# Altium PCB PCB1.PcbDoc (part 2 of 2)
Units mil, origin at the board's own origin, x right, y up, seen from the top; angles counter-clockwise.
Board outline 5128 x 3429 mil, 2 copper layers (Top Layer, Bottom Layer); 202 components, 144 nets, 652 pads, 630 vias.
Unrouted connection lines stored in the file: 1.
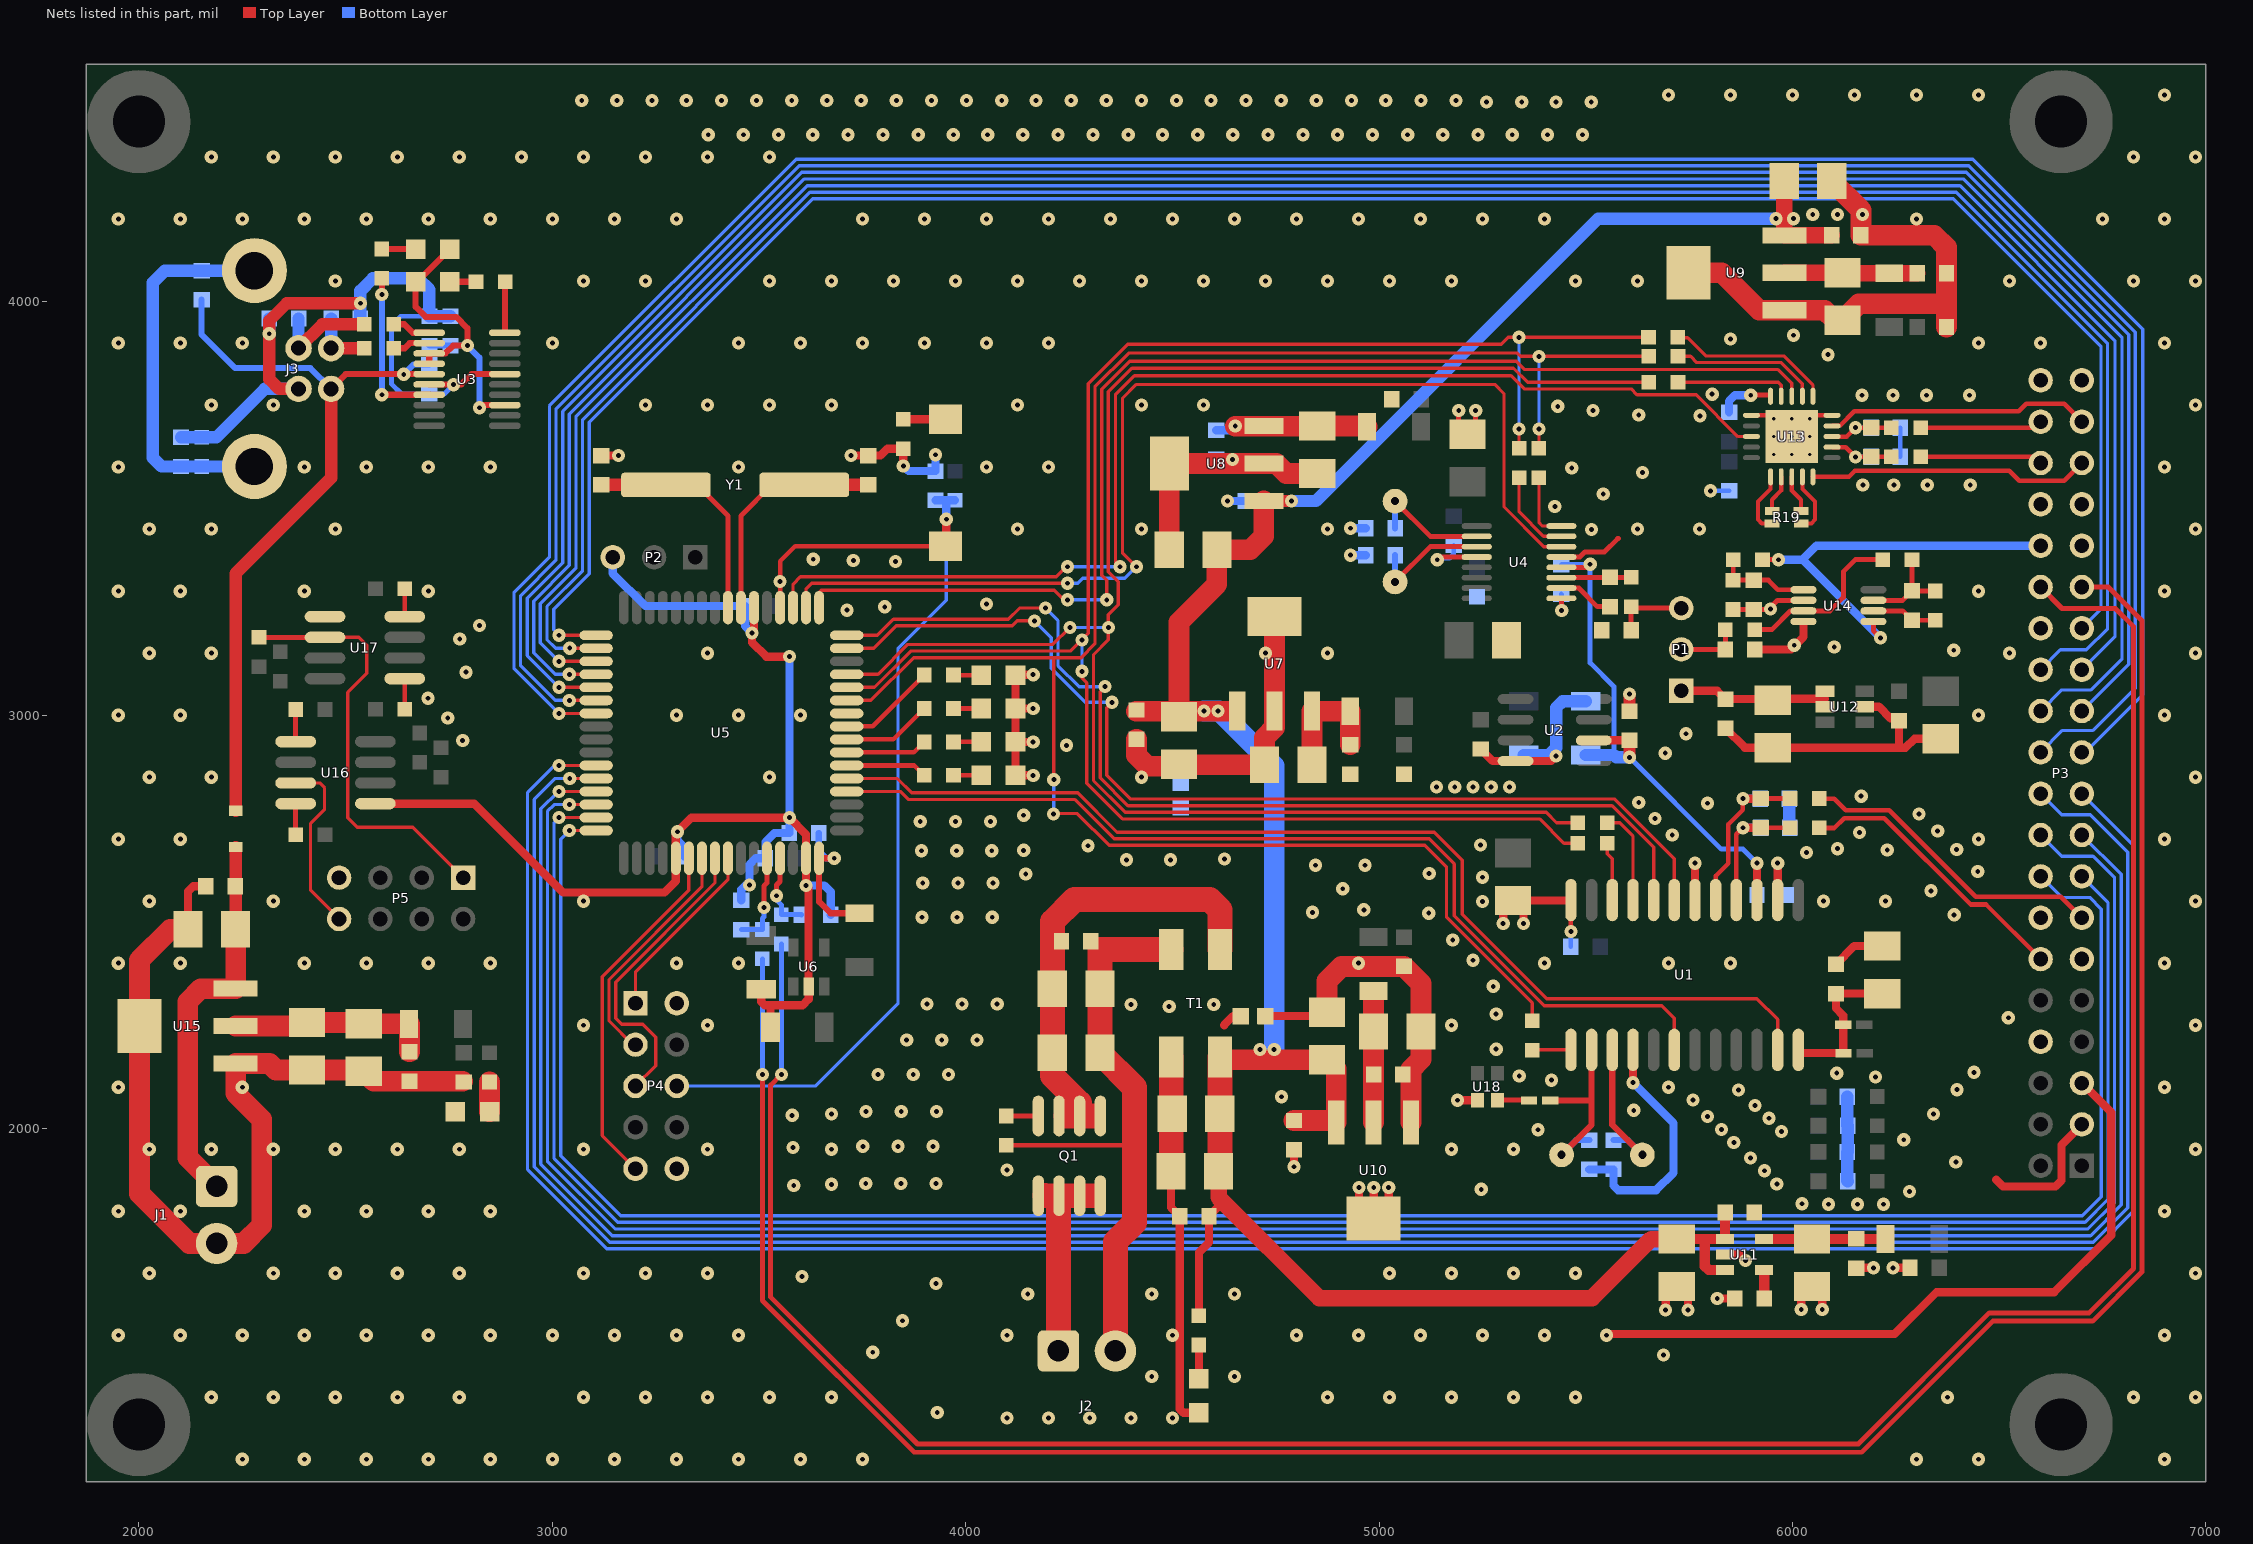
[diagram p2: the nets of this part, all layers, seen from the top]

## Via types
v1: diameter 32, hole 11.81, Top Layer to Bottom Layer, tented both sides, 606 vias
v2: diameter 32, hole 11.81, Top Layer to Bottom Layer, 15 vias
v3: diameter 19.68, hole 7.87, Top Layer to Bottom Layer, tented both sides, 9 vias

## Nets (pads, with @x,y where several pads share a name; then routed paths per layer and width w, separated by ;. In a path a pad name is that pad's centre, name@x,y a point inside that pad or via, vN(x,y) a via of type N, cw(c..) or ccw(c..) an arc to the next point about the centre after c; other vN are vias at no path point) (continued)
ADC_CH2.NEGATIVE: "C90_Differential Low-Pass Filter1.2" "C91_Differential Low-Pass Filter1.2" "R36_Differential Low-Pass Filter1.2" U1.17 | length 427.2
  Top Layer w11: U1.17@5814,2552.61 5814,2611 5845,2642 5845,2736 5880,2771 v1(5880,2798) ; 5923,2798.43 5993.87,2798.43
  Top Layer w20: v1(5880,2798) 5922,2798
  Bottom Layer w20: v1(5880,2798) 5921.57,2798
ADC_CH2.POSITIVE: "C89_Differential Low-Pass Filter1.1" "C90_Differential Low-Pass Filter1.1" "R35_Differential Low-Pass Filter1.2" U1.16 | length 338
  Top Layer w11: U1.16@5864,2552.61 5864,2711.57 v1(5880,2727.57) ; 5923,2727.57 5993.87,2727.57
  Top Layer w20: v1(5880,2727.57) 5923,2727.57
  Bottom Layer w20: v1(5880,2727.57) 5922.57,2727.57
ADC_CH2_N: "R36_Differential Low-Pass Filter1.1" P3.13 | length 754.3
  Top Layer w11: 6065,2798 6100.83,2798 6128.83,2770 6234,2770 6443,2561 6649,2561 P3.13@6700,2510
ADC_CH2_P: "R35_Differential Low-Pass Filter1.1" P3.12 | length 686.2
  Top Layer w11: 6065,2727 6100.83,2727 6124.83,2751 6222,2751 6431,2542 6468,2542 P3.12@6600,2410
ADC_CS: U1.19 U5.15 | length 2532.5
  Top Layer w8: U5.15@3712.15,3161.72 3777.35,3161.72 3831.63,3216 4112.4,3216 4124.4,3228 v1(4166,3228) ; v1(4354,3031) 4341,3018 4341,2855 4399,2797 5570,2797 5714,2653 U1.19@5714,2552.61
  Bottom Layer w8: v1(4166,3228) 4207,3187 4207,3113.37 4289.37,3031 v1(4354,3031)
ADC_DRDY: U1.20 U5.16 | length 2556.6
  Top Layer w8: U5.16@3712.15,3193.22 3786.22,3193.22 3825,3232 4103,3232 4130,3259 v1(4193,3259) ; v1(4337,3069) 4325,3057 4325,2848.37 4392.37,2781 5563.37,2781 5664,2680.37 U1.20@5664,2552.61
  Bottom Layer w8: v1(4193,3259) 4223,3229 4223,3120 4274,3069 v1(4337,3069)
ADC_INTERFACE.RESET: U1.6 U5.4 | length 2379.1
  Top Layer w8: U5.4@3712.15,2815.27 3843.1,2815.27 3862.44,2795.93 4264.3,2795.93 4359.24,2701 5121,2701 5182,2640 5182,2514.37 5399.37,2297 5684,2297 5714,2267 U1.6@5714,2190.41
ADC_INTERFACE.SPI.MISO: R39.1 R44.1 U5.13 | length 4217.6
  Top Layer w8: U5.13@3712.15,3098.73 3787.73,3098.73 3860,3171 4211,3171 v1(4252,3212) ; R39.1@5480.57,2740 5429,2740 5404,2765 4385.75,2765 4309,2841.75 4309,3146.37 4345,3182.37 v1(4345,3212) 4345,3243 4369,3267 4369,3323 4345,3347 4345,3782 4402,3839 5325,3839 5359,3805 R44.1@5652.13,3805
  Bottom Layer w8: v1@4255,3209 v1(4252,3212) v1(4345,3212)
ADC_INTERFACE.SPI.MOSI: R38.1 R41.1 R43.1 U5.12 | length 4511.6
  Top Layer w8: U5.12@3712.15,3067.24 3779.24,3067.24 3867,3155 4253,3155 4296.4,3198.4 4296.4,3801.58 4391.82,3897 5295,3897 5312,3914 R43.1@5651.57,3914 ; v1(4281,3106) 4281,3090 4293,3078 4293,2835.12 4379.12,2749 5388,2749 5447,2690 R38.1@5480.57,2690 ; R41.1@5338.48,3645.43 v1(5338.48,3692)
  Bottom Layer w8: v1(4281,3106) v1(4281,3182) ; v1(5338.48,3692) v1(5338.48,3914)
ADC_INTERFACE.SPI.SCK: R37.1 R40.1 R42.1 U5.11 | length 4718
  Top Layer w8: U5.11@3712.15,3035.74 3770.37,3035.74 3873.63,3139 4279,3139 4312.4,3172.4 4312.4,3794.66 4393.75,3876 5334.63,3876 5342.63,3868 R42.1@5652.13,3868 ; 4212,3139 4213,3138 v1(4213,2844) ; v1@4213,2762 4270,2762 4347,2685 5110.13,2685 5163,2632.13 5163,2510.75 5370,2303.75 R37.1@5370,2260.43 ; R40.1@5386.48,3645.43 v1(5386.48,3692)
  Bottom Layer w8: v1(4212,2761) 4213,2762 v1(4213,2844) ; v1(5386.48,3692) v1(5386.48,3867.52)
ADC_INTERFACE.STANDBY: U1.11 U5.5 | length 2643.8
  Top Layer w8: U5.5@3712.15,2846.76 3834.24,2846.76 3869.07,2811.93 4270.93,2811.93 4365.86,2717 5133.37,2717 5201,2649.37 5201,2518 5405,2314 5914,2314 5964,2264 U1.11@5964,2190.41
ADC_MCLK_N: C2.1 J4.2 U1.2 XT1.1 | length 465.7
  Top Layer w15: J4.2@5413.59,2068 5514,2068 ; XT1.1@5441.36,1936.51 5514,2009.15 5514,2068 ; U1.2@5514,2190.41 5514,2068
  Bottom Layer w15: XT1.1@5441.36,1936.51 5476.8,1971.94 C2.1@5508,1971.94
ADC_MCLK_P: C3.1 U1.3 XT1.2 | length 368.3
  Top Layer w15: U1.3@5564,2190.41 5564,2009.15 XT1.2@5636.64,1936.51
  Bottom Layer w15: C3.1@5567,1971.94 5601.2,1971.94 XT1.2@5636.64,1936.51
AIN0: P3.29 R7.1 | length 6250.7
  Top Layer w12: v1(3508,2131) 3508,1584 3875,1217 6167.28,1217 6484.28,1534 6726,1534 6845,1653 6845,3229 6764,3310 P3.29@6700,3310
  Bottom Layer w12: v1(3508,2131) R7.1@3508,2410.57
AIN1: P3.30 R9.2 | length 6301.4
  Top Layer w12: 3528,2104 3528,1592.28 3883.28,1237 6159,1237 6476,1554 6717.72,1554 6825,1661.28 6825,3214 6781,3258 6652,3258 P3.30@6600,3310 ; 3528,2105 v1(3554,2131)
  Bottom Layer w12: v1(3554,2131) R9.2@3554,2446.57
AT_NRST: C33.2 P4.6 R11.1 S1.2 U5.20 | length 2524.1
  Top Layer w11: U5.20@3550.73,3260.15 v1(3550.73,3323) 3550.73,3372.16 3587.03,3408.46 S1.2@3951,3408.46
  Top Layer w20: S1.2@3951,3408.46 3953,3410.46 v1(3953,3474)
  Bottom Layer w8: P4.6@3301,2103 3637,2103 3836,2302 3836,3161 3953,3278 v1(3953,3474)
  Bottom Layer w20: C33.2@3927,3519.57 3953,3519.57 ; v1(3953,3474) 3953,3519.57 ; R11.1@3974,3519.57 3953,3519.57
CLK_INPUT: J4.1 U18.3 | length 75.3
  Top Layer w12: U18.3@5286.61,2068.52 J4.1@5361.89,2068.52
"CURRENT IN": P3.32 R22.1 U14.5 | length 1000.7
  Top Layer w12: R22.1@5927.43,3376 v1(5966,3376) ; U14.5@6195.65,3226.61 6195.65,3204.35 v1(6213,3187)
  Bottom Layer w20: v1(5966,3376) 6024,3376 ; v1(6213,3187) 6024,3376 ; P3.32@6600,3410 6058,3410 6024,3376
"CURRENT RTN": "C89_Differential Low-Pass Filter1.2" "C89_Differential Low-Pass Filter2.2" "C89_Differential Low-Pass Filter3.2" "C91_Differential Low-Pass Filter1.1" "C91_Differential Low-Pass Filter2.1" "C91_Differential Low-Pass Filter3.1" C1.2 C4.2 C6.2 C8.2 C9.2 C10.2 C11.2 C19.2 C25.2 C27.2 C45.2 C46.2 C47.2 C51.2 C52.2 C55.2 C56.2 C57.2 C61.2 C62.2 C65.2 C66.2 C67.2 C68.2 C69.2 C70.2 C71.2 C72.2 C73.2 C74.2 C75.1 C77.2 C79.2 C82.1 J7.2 P3.3 P3.8 P3.11 P3.14 P3.28 P3.31 P3.33 P3.34 P3.39 P3.40 R21.1 U1.14 U1.18 U2.4 U4.13 U7.2 U7.4 U9.1 U9.4 U11.2 U12.2 U13.10 U13.16 U13.21 U14.4 | length 4974.1
  Top Layer w11: U13.16@5900.69,3725.18 5946.95,3725.18 v3(5954.83,3717.31) ; U13.21@6049.31,3725.18 U13.10@6095.57,3725.18
  Top Layer w12: U4.13@5440.84,3382.5 5485.55,3382.5 5498.05,3395 5545,3395 5577,3427 5579,3427
  Top Layer w20: C10.2@5245.51,2918.13 5274.65,2889 U2.4@5330.02,2889 5416,2889 v1(5428,2901) ; v1(5693,1561) C67.2@5693,1590.73 ; v1(5747,1561) C67.2@5747,1590.73 ; U1.18@5764,2552.61 v1(5764,2642) ; v1(5818,1589) C65.2@5860.4,1589 ; U11.2@5836.78,1695.29 5871.71,1695.29 v1(5886,1681) ; C71.2@5837.77,2967.97 5884.55,2921.19 C73.2@5951.77,2921.19 6257.77,2921.19 ; C82.1@5908.43,3159 5996,3159 6026.35,3189.35 U14.4@6026.35,3225.35 ; U1.14@5964,2552.61 v1(5964,2642) ; v1(6021,1562) C68.2@6021,1603.09 ; v1(6072,1562) C68.2@6072,1603.09 ; C4.2@6105,2397.28 6149.09,2441.37 C6.2@6217,2441.37 ; C69.2@6154.91,1663 v1(6196,1663) ; U12.2@6175,3020.4 6208.6,3020.4 6237.06,2991.94 6252.77,2991.94 C72.2@6257.77,2986.94 6257.77,2921.19 ; v1(6243,1663) C70.2@6284.09,1663 ; C74.2@6358.77,2942.84 6294.84,2942.84 6273.19,2921.19 6257.77,2921.19 ; 6493,1876 6509,1860 6636,1860 6650.47,1874.47 6650.47,1960.47 P3.3@6700,2010
  Top Layer w30: C11.2@5605.51,3009.87 v1(5605.51,3050.87)
  Top Layer w50: C45.2@4413,2941.57 4413,2903 4439.48,2876.52 4516,2876.52 4519.48,2880 C47.2@4722.59,2880 4722.59,2945.59 4747,2970 U7.2@4747,3009.83 U7.4@4747,3238.17 ; U9.4@5747.86,4070 5829,4070 5919.55,3979.45 U9.1@5980.14,3979.45 6077.55,3979.45 6101.96,3955.04 C57.2@6121,3955.04 6160.96,3995 6369.43,3995 ; C56.2@6095.1,4292 6165.43,4221.67 C55.2@6165.43,4161 6343,4161 6372.43,4131.57 C61.2@6372.43,4068.96 C62.2@6372.43,3939.04
  Bottom Layer w11: v1(5801.57,3542.57) C79.2@5846.57,3542.57 ; C75.1@6261,3625 C77.2@6261,3695
  Bottom Layer w30: C9.2@5349.51,2903.57 5410.57,2903.57 5428,2921 5428,3018 5443.49,3033.49 C8.2@5499.51,3033.49 ; 5992.43,2798 5992.43,2728.57 5993.43,2727.57 ; 6132.43,2077 6132.43,2007.57 6133.43,2006.57 6133.43,1944 6132.43,1943 6132.43,1873.57 6133.43,1872.57
  other v1: 6300,1200 6450,1200 6900,1200 6375,1350 6825,1350 6975,1350 5688,1452 6900,1500 6975,1650 6900,1800 6087,1817 6157,1817 6220,1817 6023,1818 6283,1848 5962,1866 5932,1898 6395,1919 5898,1929 6975,1950 5858,1966 6269,1973 5973,1993 5828,1998 5943,2025 5794,2029 6341,2035 5909,2056 5759,2069 5869,2093 6398,2094 6900,2100 6201,2125 6107,2134 6439,2136 6975,2250 6522,2268 5850,2400 6900,2400 6391,2517 6075,2550 6225,2550 6975,2550 6335,2575 6448,2622 6034,2668 6229,2674 6397,2675 6109,2677 6450,2700 6900,2700 5709,2710 6162,2716 6351,2720 5667,2750 6306,2761 5794,2787 5628,2789 6166,2804 5139,2826 5183,2826 5227,2826 5271,2826 5315,2826 4425,2850 6975,2850 5692,2908 5742,2955 6450,3000 6900,3000 4725,3150 4875,3150 6525,3150 6975,3150 6390,3157 6101,3165 6004,3169 6450,3300 6900,3300 5625,3450 5775,3450 6975,3450 6170,3557 6245,3557 6326,3557 6430,3557 6900,3600 6975,3750 6168,3774 6243,3774 6324,3774 6428,3774 6086,3872 6450,3900 6600,3900 6900,3900 6002,3919 5625,4050 6525,4050 6825,4050 6975,4050 6300,4200 6750,4200 6900,4200 6049,4211 6109,4211 6169,4211 6825,4350 6975,4350 5700,4500 5850,4500 6000,4500 6150,4500 6300,4500 6450,4500 6900,4500
  other v3: 5954.83,3630.69 5998.13,3630.69 6041.44,3630.69 5954.83,3674 5998.13,3674 6041.44,3674 5998.13,3717.31 6041.44,3717.31
DAC_CS: U4.14 U5.18 | length 2687
  Top Layer w8: U5.18@3613.72,3260.15 3613.72,3305.72 3627,3319 v1(4246,3319) ; v1(4413,3359) 4379,3393 4379,3766 4413,3800 5280,3800 5302,3778 5302,3504 5398.5,3407.5 U4.14@5440.84,3407.5
  Bottom Layer w8: v1(4246,3319) 4271,3319 4283,3331 4384.6,3331 4412.6,3359 v1(4413,3359)
DAC_MCLK_N: C22.1 U4.3 XT2.1 | length 297.5
  Top Layer w12: XT2.1@5038.48,3322.36 5123.62,3407.5 U4.3@5236.12,3407.5
  Bottom Layer w15: XT2.1@5038.48,3322.36 C22.1@5038.48,3387
DAC_MCLK_P: C23.1 U4.2 XT2.2 | length 298.5
  Top Layer w12: XT2.2@5038.48,3517.64 5123.62,3432.5 U4.2@5236.12,3432.5
  Bottom Layer w15: C23.1@5038.48,3452 XT2.2@5038.48,3517.64
ESP-GND: C13.2 C14.1 C15.1 C16.2 C17.2 C18.1 C83.2 C84.2 C85.2 C86.2 C87.2 C88.2 D9.2 J1.2 J3.4 P5.7 R5.1 U3.6 U3.16 U15.1 U15.4 U17.5 | length 4009.6
  Top Layer w15: U3.16@2702,3800 2780.04,3800 2805.04,3825 U3.6@2885.07,3825
  Top Layer w20: C88.2@2118.75,2482 2118.75,2573.75 2131,2586 C87.2@2161.57,2586
  Top Layer w30: J3.4@2385.95,3789.29 2338.75,3789.29 2315.09,3812.95 v1(2315.09,3922.5) 2315.09,3954.05 2357.54,3996.5 v1(2535.56,3996.5)
  Top Layer w50: C88.2@2118.75,2482 2076,2482 2001.43,2407.43 U15.4@2001.43,2248 2001.43,1842.57 2121.9,1722.1 J1.2@2188,1722.1 2253.1,1722.1 2297,1766 2297,2022 2233.71,2085.29 U15.1@2233.71,2157.45 2315.55,2157.45 2331.48,2141.52 C83.2@2406.57,2141.52 2540.57,2141.52 C84.2@2543.57,2138.52 2567.52,2114.57 C85.2@2654.57,2114.57 C86.2@2783.57,2114.57
  Bottom Layer w12: C17.2@2702.54,3964.93 2632.97,3964.93 2610.54,3942.5 2610.54,3801.5 2634.97,3777.07 C13.2@2702,3777.07 2738.1,3777.07 v1(2760.54,3799.5)
  Bottom Layer w30: C16.2@2101.54,3672.36 R5.1@2151.54,3672.36 2187.39,3672.36 2304.32,3789.29 J3.4@2385.95,3789.29 ; v1(2315.09,3922.5) C15.1@2315.09,3959.5 ; C14.1@2535.56,3959.5 v1(2535.56,3996.5) 2535.56,4026.52 2565.54,4056.5 2675.54,4056.5 2702.54,4029.5 C17.2@2702.54,3964.93 C18.1@2753.54,3964.93
  other v1: 2250,1200 2400,1200 2550,1200 2700,1200 2850,1200 2175,1350 2325,1350 2475,1350 2625,1350 2775,1350 1950,1500 2100,1500 2250,1500 2400,1500 2550,1500 2700,1500 2850,1500 2025,1650 2325,1650 2475,1650 2625,1650 2775,1650 1950,1800 2100,1800 2400,1800 2550,1800 2700,1800 2850,1800 2025,1950 2175,1950 2325,1950 2475,1950 2625,1950 2775,1950 1950,2100 2250,2100 1950,2400 2100,2400 2400,2400 2550,2400 2700,2400 2850,2400 2025,2550 2325,2550 1950,2700 2100,2700 2025,2850 2175,2850 1950,3000 2100,3000 2025,3150 2175,3150 1950,3300 2100,3300 2400,3300 2700,3300 2025,3450 2175,3450 2475,3450 1950,3600 2400,3600 2550,3600 2700,3600 2850,3600 2175,3750 2325,3750 1950,3900 2100,3900 2250,3900 2475,4050 1950,4200 2100,4200 2250,4200 2400,4200 2550,4200 2700,4200 2850,4200 2175,4350 2325,4350 2475,4350 2625,4350 2775,4350 2925,4350
ESP-RAW: C87.1 C88.1 D1.2 J1.1 U15.3 | length 947.4
  Top Layer w30: C88.1@2233.71,2482 D1.2@2233.71,2681.1
  Top Layer w50: J1.1@2188,1859.9 2118,1929.9 2118,2307 2149.55,2338.55 U15.3@2233.71,2338.55 C88.1@2233.71,2482
ESP_RXD_IS: P5.1 R34.1 U17.6 | length 1043.6
  Top Layer w8: U17.6@2450,3188.27 2531.73,3188.27 2551,3169 2551,3101 2505,3055 2505,2752 2528,2729 2662,2729 P5.1@2784,2607
  Top Layer w12: R34.1@2290.46,3188.27 U17.6@2450,3188.27
ESP_TXD_IS: P5.8 U16.3 | length 434.6
  Top Layer w8: U16.3@2379,2836 2437,2836 2449,2824 2449,2772 2415,2738 2415,2576 P5.8@2484,2507
FORCE+: P3.35 U13.5 | length 684.4
  Top Layer w11: U13.5@6049.31,3576.56 6136.56,3576.56 6151,3591 6524,3591 6548.03,3566.97 6656.97,3566.97 P3.35@6700,3610
FORCE-: P3.37 U13.9 | length 644.4
  Top Layer w11: U13.9@6095.57,3699.59 6114.16,3699.59 6149.57,3735 6547,3735 6565.03,3753.03 6656.97,3753.03 P3.37@6700,3710
GND: C2.2 C3.2 C5.2 C7.2 C22.2 C23.2 C24.2 C26.2 C28.2 C29.2 C30.1 C31.2 C32.1 C33.1 C34.2 C35.2 C36.2 C37.2 C38.2 C48.2 C49.2 C50.2 C53.2 C54.2 C58.2 C59.2 C60.2 C63.2 C64.2 C78.2 D4.2 D5.2 D6.2 D7.2 J8.1 P2.3 P3.5 P4.2 P4.10 R14.2 U1.4 U1.24 U4.4 U5.22 U5.53 U5.63 U6.2 U8.2 U8.4 U10.1 U10.4 U13.15 U16.5 U18.2 | length 8970.3
  Top Layer w9: C24.2@5213.48,3679.48 5233.48,3699.48 C24.2@5236,3702
  Top Layer w11: v1(5464,2476.49) U1.24@5464,2552.61
  Top Layer w12: v1(5140.48,3376) 5146.98,3382.5 U4.4@5236.12,3382.5 ; C24.2@5192.48,3693.43 v1(5192.48,3736.91) ; C24.2@5233.48,3689.39 5233.48,3699.48 v1(5233.48,3736.91) ; v1(5899,3774) U13.15@5946.95,3774
  Top Layer w20: U16.5@2571.91,2786 2811,2786 3026,2571 3271,2571 3298.76,2598.76 U5.53@3298.76,2653.85 3298.76,2714 v1(3302.76,2718) 3336.76,2752 v1(3573.57,2752) 3613.72,2711.84 U5.63@3613.72,2653.85 v1(3613.72,2588) 3619.72,2582 3619.72,2344.04 U6.2@3620,2343.76 3620,2313 3605,2298 3514,2298 3505,2307 C35.2@3505,2337.04 ; C30.1@3118,3627.87 v1(3159.68,3627.87) ; U5.22@3487.74,3260.15 3487.74,3203.74 v1(3483,3199) 3483,3176 3517.43,3141.57 v1(3573.57,3141.57) ; C34.2@3527.48,2245 3527.48,2298 ; v1(3722.32,3627.87) C32.1@3764,3627.87 3793.87,3627.87 3810.68,3644.68 R14.2@3849,3644.68 v1(3849,3603) ; D7.2@4120.34,3097 D6.2@4120.34,3016.11 ; D7.2@4121.34,3098 v1(4163,3098) ; v1(4163,2854.33) D4.2@4120.34,2854.33 D5.2@4120.34,2935.22 ; v1(4163,2935.22) D5.2@4120.34,2935.22 ; v1(4163,3016.11) D6.2@4120.34,3016.11 ; J8.1@4725,2272 4864.52,2272 C59.2@4874,2281.48 ; v1(4794,1907.47) C58.2@4794,1948.57 ; U10.4@4951,1816 v1(4951,1857.09) ; U10.4@4987,1816 v1(4987,1857.09) ; U10.4@5023,1815 v1(5023,1857.09) ; v1(5189.48,2068.52) U18.2@5237.39,2068.52 ; v1(5300,2496) C7.2@5300,2527.52 ; C7.2@5324,2551.52 5462.91,2551.52 U1.24@5464,2552.61 ; v1(5349,2496) C7.2@5349,2526.52 ; v1@5550,1503 6247,1503 6348,1604 6633,1604 6771,1742 6771,2039 P3.5@6700,2110 ; v1(5614,2111) U1.4@5614,2190.41 ; D5.2@4120.34,2935.22 D6.2@4120.34,3016.11
  Top Layer w50: C49.2@4492.58,3436.42 U8.4@4492.58,3608.72 U8.2@4720.93,3608.72 4751.28,3608.72 4775.48,3584.52 C50.2@4850,3584.52 ; C59.2@4874,2281.48 4874,2357 4909.09,2392.09 C64.2@5060,2392.09 5101.4,2350.69 C60.2@5101.4,2235 5101.4,2167.4 5076.99,2142.99 U10.1@5076.99,2015.1
  Bottom Layer w11: C5.2@5464,2440 v1(5464,2476.49)
  Bottom Layer w12: v1(5140.48,3376) 5144.48,3380 5170.48,3380 5180.48,3390 C26.2@5180.48,3410.57
  Bottom Layer w20: P2.3@3146,3382 3146,3343 3225,3264 C37.2@3466.57,3264 3466.57,3215.43 v1(3483,3199) ; v1(3302.76,2718) 3302.76,2696.24 3318.43,2680.57 C36.2@3318.43,2659 ; C29.2@3457,2552.3 3457,2578 3468,2589 v1(3477,2589) 3477,2639 3491.85,2653.85 C38.2@3515.3,2653.85 3515.3,2693.3 3537,2715 C31.2@3573.57,2715 v1(3573.57,2752) v1(3573.57,3141.57) ; v1(3613.72,2588) 3658,2588 3673.43,2572.57 C28.2@3673.43,2517 ; v1(3849,3603) 3861.57,3590.43 C33.1@3927,3590.43 v1(3927,3630) ; C53.2@4606,3618.57 v1(4645,3618.57) ; v1(4633,3518.17) C48.2@4676.57,3518.17 ; v1(4931,3387) C22.2@4967.61,3387 ; v1(4931,3452) C23.2@4967.61,3452 ; C2.2@5508,1901.08 C3.2@5567,1901.08 5567,1862 5578,1851 5670,1851 5712,1893 5712,2013 v1(5614,2111) ; C78.2@5846.57,3732.43 5846.57,3759.57 5861,3774 v1(5899,3774)
  other v1: 3000,1200 3150,1200 3300,1200 3450,1200 3600,1200 3750,1200 3931,1313 3075,1350 3225,1350 3375,1350 3525,1350 3675,1350 4875,1350 5025,1350 5175,1350 5325,1350 5475,1350 3775,1459 3000,1500 3150,1500 3300,1500 3450,1500 4800,1500 4950,1500 5100,1500 5250,1500 5400,1500 5550,1500 3847,1535 3928,1625 3604,1642 3075,1650 3225,1650 3375,1650 5025,1650 5175,1650 5325,1650 5475,1650 5247,1853 3584,1862 3675,1865 3758,1867 3843,1867 3928,1867 3075,1950 3375,1950 3675,1950 5175,1950 5325,1950 3582,1954 3751,1957 3836,1957 3921,1957 5384,1997 3580,2032 3675,2035 3759,2041 3844,2041 3929,2041 5616,2044 4764,2077 5700,2100 5417,2117 5339,2127 3788,2131 3873,2131 3958,2131 5283,2192 3857,2214 3942,2214 4027,2214 3075,2250 3375,2250 5175,2250 5283,2277 3906,2301 3991,2301 4076,2301 5276,2344 3300,2400 3450,2400 4950,2400 5400,2400 5700,2400 5227,2407 5178,2456 3894,2511 3979,2511 4064,2511 5120,2521 4839,2523 4963,2529 5250,2549 3075,2550 4912,2580 3896,2594 3981,2594 4066,2594 5250,2608 4145,2616 5121,2617 4846,2637 4966,2637 3893,2672 3978,2672 4063,2672 4140,2673 5245,2686 3890,2743 3975,2743 4060,2743 4140,2758 3525,2850 4244,2927 2783,2939 2747,2993 3300,3000 3450,3000 3600,3000 2699,3041 2791,3104 3375,3150 2776,3184 2824,3217 3713,3254 3804,3262 4050,3269 3830,3372 3728,3374 3631,3377 5514,3449 4125,3450 4425,3450 4875,3450 5425,3505 5542,3535 5637,3587 5466,3598 3450,3600 4050,3600 4200,3600 5776,3724 5628,3726 5517,3737 5432,3747 3225,3750 3375,3750 3525,3750 3675,3750 4125,3750 4425,3750 4575,3750 5805.61,3776.53 3000,3900 3450,3900 3600,3900 3750,3900 3900,3900 4050,3900 4200,3900 5850,3910 3075,4050 3225,4050 3525,4050 3675,4050 3825,4050 3975,4050 4125,4050 4275,4050 4425,4050 4575,4050 4725,4050 4875,4050 5025,4050 5175,4050 5475,4050 3000,4200 3150,4200 3300,4200 3750,4200 3900,4200 4050,4200 4200,4200 4350,4200 4500,4200 4650,4200 4800,4200 4950,4200 5100,4200 5250,4200 5400,4200 3075,4350 3225,4350 3375,4350 3525,4350 3377,4404 3462,4404 3547,4404 3630,4404 3715,4404 3800,4404 3885,4404 3970,4404 4053,4404 4138,4404 4223,4404 4308,4404 4393,4404 4476,4404 4561,4404 4646,4404 4731,4404 4816,4404 4899,4404 4984,4404 5069,4404 5154,4404 5239,4404 5322,4404 5407,4404 5492,4404 5260,4483 5345,4483 5428,4483 5513,4483 3071,4487 3156,4487 3241,4487 3324,4487 3409,4487 3494,4487 3579,4487 3664,4487 3747,4487 3832,4487 3917,4487 4002,4487 4087,4487 4170,4487 4255,4487 4340,4487 4425,4487 4510,4487 4593,4487 4678,4487 4763,4487 4848,4487 4933,4487 5016,4487 5101,4487 5186,4487
GPIO0: P3.16 U5.48 | length 5542.2
  Top Layer w8: v1(3041,2720.78) U5.48@3105.85,2720.78
  Bottom Layer w8: v1(3041,2720.78) 3020,2699.78 3020,1934 3165,1789 6701,1789 6747,1835 6747,2531 6719,2559 6651,2559 P3.16@6600,2610
GPIO1: P3.15 U5.47 | length 5573.3
  Top Layer w8: v1(3016,2752.28) U5.47@3105.85,2752.28
  Bottom Layer w8: v1(3016,2752.28) 3004,2740.28 3004,1927.37 3158.37,1773 6707.63,1773 6763,1828.37 6763,2547 P3.15@6700,2610
GPIO2: P3.18 U5.46 | length 5863.6
  Top Layer w8: v1(3041,2783.77) U5.46@3105.85,2783.77
  Bottom Layer w8: v1(3041,2783.77) 3004.77,2783.77 2988,2767 2988,1920.75 3151.75,1757 6714.25,1757 6779,1821.75 6779,2607 6727,2659 6651,2659 P3.18@6600,2710
GPIO3: P3.17 U5.45 | length 5870.2
  Top Layer w8: v1(3016,2815.27) U5.45@3105.85,2815.27
  Bottom Layer w8: v1(3016,2815.27) 3013.64,2815.27 2972,2773.63 2972,1914.12 3145.12,1741 6720.88,1741 6795,1815.12 6795,2615 P3.17@6700,2710
GPIO4: P3.20 U5.44 | length 6154.1
  Top Layer w8: v1(3042,2847) 3105.61,2847 U5.44@3105.85,2846.76
  Bottom Layer w8: v1(3042,2847) 3007,2847 2956,2796 2956,1907.49 3138.49,1725 6727.51,1725 6811,1808.49 6811,2668 6720,2759 6651,2759 P3.20@6600,2810
GPIO5: P3.19 U5.43 | length 6170.7
  Top Layer w8: v1(3016,2878.26) U5.43@3105.85,2878.26
  Bottom Layer w8: v1(3016,2878.26) 3005.26,2878.26 2940,2813 2940,1900.86 3131.86,1709 6734.14,1709 6827,1801.86 6827,2683 P3.19@6700,2810
GPIO6: P3.21 U5.39 | length 6275.3
  Top Layer w8: v1(3016,3004.24) U5.39@3105.85,3004.24
  Bottom Layer w8: v1(3016,3004.24) 2907,3113.24 2907,3296 2993,3382 2993,3748 3590,4345 6436,4345 6847,3934 6847,3049.37 6707.63,2910 P3.21@6700,2910
GPIO7: P3.22 U5.38 | length 6259.7
  Top Layer w8: v1(3041,3035.74) U5.38@3105.85,3035.74
  Bottom Layer w8: v1(3041,3035.74) 3007.12,3035.74 2923,3119.86 2923,3289.37 3009,3375.37 3009,3741.37 3596.63,4329 6426.54,4329 6829,3926.54 6829,3065 6727,2963 6653,2963 P3.22@6600,2910
GPIO8: P3.23 U5.37 | length 5971.9
  Top Layer w8: v1(3016,3067.24) U5.37@3105.85,3067.24
  Bottom Layer w8: v1(3016,3067.24) 2939,3144.24 2939,3282.75 3025,3368.75 3025,3734.75 3603.25,4313 6419.92,4313 6813,3919.92 6813,3123 P3.23@6700,3010
GPIO9: P3.24 U5.36 | length 5962.3
  Top Layer w8: v1(3041,3098.73) U5.36@3105.85,3098.73
  Bottom Layer w8: v1(3041,3098.73) 3007.27,3098.73 2955,3151 2955,3276.12 3041,3362.12 3041,3728.12 3609.88,4297 6413.29,4297 6797,3913.29 6797,3136 6722,3061 6651,3061 P3.24@6600,3010
GPIO10: P3.25 U5.35 | length 5677.1
  Top Layer w8: v1(3016,3130.23) U5.35@3105.85,3130.23
  Bottom Layer w8: v1@3013.64,3130.23 v1(3016,3130.23) 2971,3175.23 2971,3269.49 3057,3355.49 3057,3721.49 3616.51,4281 6405.25,4281 6780,3906.25 6780,3190 P3.25@6700,3110
GPIO11: P3.26 U5.34 | length 5656.7
  Top Layer w8: v1(3042,3162) 3105.57,3162 U5.34@3105.85,3161.72
  Bottom Layer w8: v1(3042,3162) 3007.62,3162 2987,3182.62 2987,3262.86 3073,3348.86 3073,3714.86 3623.14,4265 6395.79,4265 6762,3898.79 6762,3209 6711,3158 6648,3158 P3.26@6600,3110
GPIO12: P3.27 U5.33 | length 5375.9
  Top Layer w8: v1(3016,3193.22) U5.33@3105.85,3193.22
  Bottom Layer w8: v1(3016,3193.22) 3003,3206.22 3003,3256.24 3089,3342.24 3089,3708.24 3629.76,4249 6389.16,4249 6746,3892.16 6746,3256 P3.27@6700,3210
LED1: R8.2 U5.6 | length 197.3
  Top Layer w11: U5.6@3712.15,2878.26 3875.64,2878.26 R8.2@3899.57,2854.33
LED2: R10.2 U5.7 | length 198
  Top Layer w11: U5.7@3712.15,2909.76 3874.1,2909.76 R10.2@3899.57,2935.22
LED3: R12.2 U5.8 | length 218.4
  Top Layer w11: U5.8@3712.15,2941.25 3824.71,2941.25 R12.2@3899.57,3016.11
LED4: R13.2 U5.9 | length 238.9
  Top Layer w11: U5.9@3712.15,2972.75 3775.31,2972.75 R13.2@3899.57,3097
NetB1_1: B1.1 C47.1 C51.1 U7.3 | length 303.7
  Top Layer w50: C47.1@4837.55,2880 U7.3@4837.55,3009.83 B1.1@4930.04,3009.83 C51.1@4930.04,2928.43
NetB2_1: B2.1 C50.1 C53.1 U8.3 | length 369.8
  Top Layer w50: v1(4652,3699.27) U8.3@4720.93,3699.27 4849.79,3699.27 C50.1@4850,3699.48 4969.56,3699.48 B2.1@4971.04,3698
  Bottom Layer w20: C53.1@4606,3689.43 4642.17,3689.43 v1(4652,3699.27)
NetB3_1: B3.1 C57.1 C61.1 U9.2 | length 321.9
  Top Layer w40: U9.2@5980.14,4070 C57.1@6121,4070 6122.04,4068.96 B3.1@6234,4068.96 C61.1@6301.57,4068.96
NetB4_1: B4.1 C60.1 C63.1 U10.2 | length 309.9
  Top Layer w50: U10.2@4986.44,2015.1 C63.1@4986.44,2131 C60.1@4986.44,2235 B4.1@4986.44,2325
NetB5_1: B5.1 C68.1 C69.1 U11.5 | length 293.9
  Top Layer w25: U11.5@5931.27,1732.69 6046.73,1732.69 C68.1@6047,1732.96 C69.1@6154,1732.96 B5.1@6225.04,1733 B5.1@6225.04,1733
NetB6_1: B6.1 C83.1 C84.1 C85.1 U15.2 | length 491.5
  Top Layer w50: U15.2@2233.71,2248 2398.09,2248 C83.1@2406.57,2256.48 2540.57,2256.48 C84.1@2543.57,2253.48 2653.13,2253.48 B6.1@2653.61,2253 ; C85.1@2654.57,2185.43 B6.1@2654.57,2252.04
NetC4_1: C4.1 C6.1 J5.2 J6.1 U1.12 | length 374.9
  Top Layer w20: U1.12@6014,2190.41 6022.41,2182 6023.41,2183 6122.41,2183 J6.1@6122.41,2251 6122.41,2273.59 6105,2291 C4.1@6105,2326.41 C6.1@6217,2326.41
NetC12_2: C12.2 C16.1 J3.MH R5.2 | length 936.2
  Bottom Layer w30: J3.MH@2279.26,3601.49 R5.2@2151.54,3601.49 C16.1@2101.54,3601.49 2054.54,3601.49 2033.54,3622.5 2033.54,4046.5 2062.54,4075.51 C12.2@2151.54,4075.51 J3.MH@2279.26,4075.51
NetC17_1: C17.1 C18.2 D2.1 D3.1 U3.3 U3.13 U3.14 | length 809.3
  Top Layer w15: U3.14@2702,3850 U3.13@2702,3875 2741.04,3875 2760.1,3894.07 v1(2794.54,3894.07) 2794.54,3936.5 2767.54,3963.5 2693.54,3963.5 2669.2,3987.84 D3.1@2669.2,4048.5 2672.87,4048.5 D2.1@2751.87,4127.5 ; v1(2823.54,3743.5) 2830.04,3750 U3.3@2885.07,3750
  Bottom Layer w15: C17.1@2702.54,3894.07 C18.2@2753.54,3894.07 v1(2794.54,3894.07) 2823.54,3865.07 v1(2823.54,3743.5)
NetC20_1: C20.1 U4.9 | length 69.7
  Top Layer w12: U4.9@5440.84,3282.5 5441.48,3281.86 v1(5441.48,3253)
  Bottom Layer w12: C20.1@5440.48,3292.57 5441.48,3291.57 v1(5441.48,3253)
NetC21_1: C21.1 U4.10 | length 126.2
  Top Layer w12: U4.10@5440.84,3307.5 5482.98,3307.5 5527.91,3262.57 C21.1@5548.48,3262.57
NetC21_2: C21.2 R6.1 U4.11 | length 169
  Top Layer w12: U4.11@5440.84,3332.5 5558.48,3332.5 5559.41,3333.43 R6.1@5609.48,3333.43
NetC28_1: C28.1 R9.1 U5.61 | length 193.8
  Top Layer w12: v1(3542,2563) 3542,2589 3550.73,2597.73 U5.61@3550.73,2653.85
  Bottom Layer w12: v1(3542,2563) 3543,2562 3543,2552 3554,2541 R9.1@3554,2517.43 3602.13,2517.43 C28.1@3602.57,2517
NetC29_1: C29.1 R7.2 U5.60 | length 228.3
  Top Layer w12: v1(3512,2535) 3512,2587 3519.24,2594.24 U5.60@3519.24,2653.85
  Bottom Layer w12: C29.1@3457,2481 3507.57,2481 R7.2@3508,2481.43 3508,2508 3512,2512 v1(3512,2535)
NetC30_2: C30.2 U5.24 Y1.2 | length 484.5
  Top Layer w12: Y1.2@3349.99,3557 3424.75,3482.24 U5.24@3424.75,3260.15
  Top Layer w30: C30.2@3118,3557 Y1.2@3274.68,3557
NetC31_1: C31.1 FB1.2 U5.64 | length 339.5
  Top Layer w15: v1(3682,2653.85) U5.64@3645.22,2653.85 3645.22,2601.05 3645.22,2548.78 3673.08,2520.92 FB1.2@3743,2520.92
  Bottom Layer w15: C31.1@3644.43,2715 3644.43,2671.57 3662.15,2653.85 v1(3682,2653.85)
NetC32_2: C32.2 U5.23 Y1.1 | length 560.8
  Top Layer w12: U5.23@3456.24,3260.15 3456.24,3482.24 3531,3557 Y1.1@3609.32,3557
  Top Layer w30: Y1.1@3609.32,3557 C32.2@3764,3557
NetC39_1: C39.1 C40.1 C43.1 Q1.1 Q1.2 Q1.3 T1.1 | length 1098.5
  Top Layer w60: 4242,2030.46 Q1.2@4275.52,2030.46 ; 4309,2030.46 Q1.2@4275.52,2030.46 ; T1.1@4615.06,2432.92 4615.06,2528.94 4590,2554 4263,2554 4209.52,2500.52 C40.1@4209.52,2338 C39.1@4209.52,2183 4209.52,2127.48 4275.52,2061.48 Q1.2@4275.52,2030.46
NetC65_1: C65.1 U11.4 | length 68.9
  Top Layer w25: C65.1@5931.27,1589 U11.4@5931.27,1657.89
NetC75_2: C75.2 C76.2 R17.1 U13.7 | length 190.7
  Top Layer w11: U13.7@6095.57,3648.41 6128.72,3648.41 v1(6152.57,3624.57) C76.2@6190.57,3624.57 ; C76.2@6191,3625 R17.1@6239.13,3625
  Bottom Layer w11: v1(6152.57,3624.57) 6153,3625 C75.2@6190.13,3625
NetC76_1: C76.1 C77.1 R18.1 U13.8 | length 189.8
  Top Layer w11: U13.8@6095.57,3674 6131.13,3674 v1(6152.57,3695.43) C76.1@6190.57,3695.43 R18.1@6238.7,3695.43
  Bottom Layer w11: v1(6152.57,3695.43) 6189.7,3695.43 C77.1@6190.13,3695
NetC80_1: C80.1 R20.2 R22.2 U14.1 | length 228.9
  Top Layer w12: R20.2@5856,3326.43 C80.1@5906,3326.43 5941.57,3326.43 5964.61,3303.39 U14.1@6026.35,3303.39 ; R20.2@5856.57,3327 R22.2@5856.57,3376
NetC80_2: C80.2 R20.1 R21.2 U14.2 | length 221.2
  Top Layer w12: R20.1@5856,3255.57 C80.2@5906,3255.57 5941.57,3255.57 5963.8,3277.8 U14.2@6026.35,3277.8
  Bottom Layer w12: R21.2@5906,3255.57 5945.57,3255.57 v1(5947,3257)
NetC81_1: C81.1 R23.2 U14.6 | length 158.7
  Top Layer w12: U14.6@6195.65,3252.2 6266.36,3252.2 C81.1@6289,3229.57 R23.2@6345,3229.57
NetC81_2: C81.2 R23.1 R24.2 U14.7 | length 234.3
  Top Layer w12: U14.7@6195.65,3277.8 6266.36,3277.8 C81.2@6289,3300.43 ; R24.2@6289,3376 C81.2@6289,3300.43 ; R23.1@6345,3300.43 C81.2@6289,3300.43
NetD2_2: D2.2 R3.2 | length 81.7
  Top Layer w15: R3.2@2587.54,4127.5 D2.2@2669.2,4127.5
NetD3_2: D3.2 R4.2 | length 63.2
  Top Layer w15: D3.2@2751.87,4048.5 R4.2@2815.1,4048.5
NetD4_1: D4.1 R8.1 | length 67.2
  Top Layer w11: R8.1@3970.43,2854.33 D4.1@4037.66,2854.33
NetD5_1: D5.1 R10.1 | length 67.2
  Top Layer w11: R10.1@3970.43,2935.22 D5.1@4037.66,2935.22
NetD6_1: D6.1 R12.1 | length 67.2
  Top Layer w11: R12.1@3970.43,3016.11 D6.1@4037.66,3016.11
NetD7_1: D7.1 R13.1 | length 67.2
  Top Layer w11: R13.1@3970.43,3097 D7.1@4037.66,3097
NetD8_1: D8.1 R15.2 | length 81.5
  Top Layer w20: D8.1@4564,1395.04 R15.2@4564,1476.57
NetD9_1: D9.1 R26.2 | length 71.6
  Top Layer w50: D9.1@2848,2041 R26.2@2848,2112.57
NetQ1_4: Q1.4 R16.1 | length 77.5
  Top Layer w12: R16.1@4098,2030.46 Q1.4@4175.52,2030.46
NetR3_1: R3.1 U3.17 | length 396.1
  Top Layer w15: v1(2587.54,3775) U3.17@2702,3775 ; v1(2587.54,4017.5) R3.1@2587.54,4056.63
  Bottom Layer w15: v1(2587.54,3775) v1(2587.54,4017.5)
NetR4_1: R4.1 U3.10 | length 123.9
  Top Layer w15: U3.10@2885.07,3925 2885.07,4047.6 R4.1@2885.97,4048.5
NetR14_1: R14.1 S1.1 | length 102
  Top Layer w20: R14.1@3849,3715.54 S1.1@3951,3715.54
NetR19_1: R19.1 U13.1 | length 153.4
  Top Layer w10: U13.1@5946.95,3576.56 5946.95,3547.39 5916.57,3517 5916.57,3473 5925.57,3464 R19.1@5950.13,3464
NetR19_2: R19.2 U13.2 | length 91.9
  Top Layer w10: R19.2@5950.11,3494 5950.11,3521 5972.54,3543.43 U13.2@5972.54,3576.56
NetR19_3: R19.3 U13.3 | length 91.9
  Top Layer w10: U13.3@5998.13,3576.56 5998.13,3543.43 6020.57,3521 R19.3@6020.57,3494
NetR19_4: R19.4 U13.4 | length 153.4
  Top Layer w10: R19.4@6021,3464 6045.57,3464 6054.57,3473 6054.57,3517 6024.18,3547.39 U13.4@6024.18,3576.56
NetR24_1: R24.1 R25.2 U14.3 | length 416
  Top Layer w12: R25.2@5908.43,3207 5950,3207 5995.2,3252.2 U14.3@6026.35,3252.2 6090.2,3252.2 6123,3285 6123,3347 6152,3376 R24.1@6218.13,3376
NetR27_1: R27.1 U16.4 | length 75.4
  Top Layer w12: R27.1@2379,2710.57 U16.4@2379,2786
NetR28_1: R28.1 U16.1 | length 77.6
  Top Layer w12: U16.1@2379,2936 R28.1@2379,3013.57
NetR31_1: R31.1 U17.1 | length 73.6
  Top Layer w12: R31.1@2642.91,3014.7 U17.1@2642.91,3088.27
NetR32_1: R32.1 U17.4 | length 67.4
  Top Layer w12: U17.4@2642.91,3238.27 R32.1@2642.91,3305.7
NetR37_2: R37.2 U1.1 | length 95.6
  Top Layer w8: R37.2@5368.43,2190.41 U1.1@5464,2190.41
NetR38_2: R38.2 U1.22 | length 142.6
  Top Layer w8: R38.2@5551.43,2690 5551.43,2665 5564,2652.43 U1.22@5564,2552.61
NetR39_2: R39.2 U1.21 | length 231.1
  Top Layer w8: R39.2@5551.43,2740 5581.75,2740 5614,2707.75 U1.21@5614,2552.61
NetR40_2: R40.2 U4.16 | length 166.4
  Top Layer w8: R40.2@5386.48,3574.57 5386.48,3466.15 5395.13,3457.5 U4.16@5440.84,3457.5
NetR41_2: R41.2 U4.15 | length 209.9
  Top Layer w8: R41.2@5338.48,3574.57 5338.48,3491.52 5397.5,3432.5 U4.15@5440.84,3432.5
NetR42_2: R42.2 U13.12 | length 358.4
  Top Layer w8: R42.2@5723,3868 5753.37,3868 5768.37,3853 5972.37,3853 6023.72,3801.65 U13.12@6023.72,3771.44
NetR43_2: R43.2 U13.11 | length 404.2
  Top Layer w8: R43.2@5723,3921 5731,3913 5746,3913 5790,3869 5979,3869 6049.31,3798.69 U13.11@6049.31,3771.44
NetR44_2: R44.2 U13.14 | length 279.3
  Top Layer w8: R44.2@5723,3805 5966,3805 5972.54,3798.46 U13.14@5972.54,3771.44
RAW-GND: C41.2 C42.2 C44.2 D8.2 J7.1 J8.2 T1.3 | length 959.8
  Top Layer w20: C42.2@4496.52,1897 4496.52,1809.05 C44.2@4517.57,1788 4517.57,1321.43 4526.64,1312.36 D8.2@4564,1312.36 ; 4625,2250 4647,2272 J8.2@4665,2272
  Top Layer w60: C42.2@4496.52,1897 4496.94,1897.43 T1.3@4496.94,2173.08
  other v1: 4492,2295 4389,2650 4495,2650 4626,2652 4296,2684
  other v2: 4100,1300 4200,1300 4300,1300 4400,1300 4500,1300 4450,1400 4650,1400 4100,1500 4500,1500 4150,1600 4450,1600 4650,1600 4100,1900 4400,2300 4600,2300
REF-0.5V: C71.1 C73.1 P1.1 U12.4 U12.5 | length 358.6
  Top Layer w20: P1.1@5731,3059 5817.61,3059 C71.1@5837.77,3038.83 5949.09,3038.83 C73.1@5951.77,3036.15 5955.62,3040 6078.54,3040
REF-2.5V: C1.1 C8.1 C11.1 C20.2 U1.15 U2.6 U4.12 | length 1445.4
  Top Layer w12: U4.12@5440.84,3357.5 5502.98,3357.5 v1(5510.48,3365)
  Top Layer w20: U2.6@5519,2939 C11.1@5605.51,2939 ; U1.15@5914,2552.61 v1(5914,2642)
  Top Layer w30: v1(5605.51,2898) C11.1@5605.51,2939
  Bottom Layer w12: C20.2@5440.48,3363.43 5442.05,3365 v1(5510.48,3365) 5510.48,3126.52 5567.94,3069.06 5567.94,2903.57 ; v1(5605.51,2898) 5827.51,2676 5880,2676 v1(5914,2642) C1.1@5914,2565
  Bottom Layer w30: C8.1@5499.51,2903.57 5567.94,2903.57 5573.51,2898 v1(5605.51,2898)
RTD_CS: U5.17 U13.13 | length 3013.2
  Top Layer w8: U5.17@3645.22,3260.15 3645.22,3297.22 3650,3302 4214,3302 4237,3279 v1@4245,3279 ; v1(4341,3279) 4341,3326 4329,3338 4329,3788.63 4396.37,3856 5332,3856 5352,3836 5965,3836 5998.13,3802.87 U13.13@5998.13,3771.44
  Bottom Layer w8: v1@4245,3279 4332,3279 v1@4341,3270
  other v1: 4246,3279
RTD_DRDY: U5.19 U13.18 | length 2912.8
  Top Layer w8: U5.19@3582.23,3260.15 3582.23,3317.23 3600,3335 4219,3335 4243,3359 v1(4246,3359) ; v1@4379,3367 4372,3360 4362,3370 4362,3775 4408,3821 5319,3821 5351,3789 5610,3789 5623.72,3775.28 5766.72,3775.28 5868,3674 U13.18@5900.69,3674
  Bottom Layer w8: v1(4246,3359) v1(4373,3359)
RTDIN+: P3.36 R17.2 | length 296.2
  Top Layer w11: R17.2@6310,3625 6585,3625 P3.36@6600,3610
RTDIN-: P3.38 R18.2 | length 296.2
  Top Layer w11: R18.2@6310,3695 6585,3695 P3.38@6600,3710
"SS RESERVED": U5.10
TCK: P4.1 U5.57 | length 443.5
  Top Layer w8: P4.1@3201,2303 3201,2378 3424.75,2601.75 U5.57@3424.75,2653.85
TDI: P4.9 U5.54 | length 870.7
  Top Layer w8: P4.9@3201,1903 3121,1983 3121,2367 3330.26,2576.26 U5.54@3330.26,2653.85
TDO: P4.3 U5.55 | length 574.3
  Top Layer w8: P4.3@3201,2203 3194.37,2203 3137,2260.37 3137,2360.37 3361.76,2585.13 U5.55@3361.76,2653.85
TMS: P4.5 U5.56 | length 740.7
  Top Layer w8: P4.5@3201,2103 3250,2152 3250,2221 3219,2252 3168,2252 3153,2267 3153,2353.75 3393.25,2594 U5.56@3393.25,2653.85
USB2_N: R1.2 U3.12 | length 91.1
  Top Layer w15: R1.2@2615.97,3887.71 2642.75,3887.71 2655.04,3900 U3.12@2702,3900
USB2_P: R2.2 U3.11 | length 94.5
  Top Layer w15: R2.2@2615.97,3945.5 2641.54,3945.5 2662.04,3925 U3.11@2702,3925
USB-VCC: C12.1 C13.1 D1.1 J3.1 U3.15 | length 1891
  Top Layer w15: J3.1@2464.69,3789.29 2500.41,3825 U3.15@2702,3825
  Top Layer w30: D1.1@2233.71,2768.9 2233.71,3342.71 2464.69,3573.69 J3.1@2464.69,3789.29
  Bottom Layer w15: C12.1@2151.54,4004.64 2151.54,3920.5 2232.54,3839.5 2414.48,3839.5 J3.1@2464.69,3789.29 ; v1(2640.54,3824.5) 2663.97,3847.93 C13.1@2702,3847.93
USB_N: C14.2 J3.2 R1.1 | length 152.2
  Top Layer w30: J3.2@2464.69,3887.71 R1.1@2545.1,3887.71
  Bottom Layer w30: J3.2@2464.69,3887.71 C14.2@2464.69,3959.5
USB_P: C15.2 J3.3 R2.1 | length 254.9
  Top Layer w30: J3.3@2385.95,3887.71 2443.74,3945.5 R2.1@2545.1,3945.5
  Bottom Layer w30: J3.3@2385.95,3887.71 C15.2@2385.95,3959.5
VCTRL: C82.2 P1.2 R25.1 | length 154.6
  Top Layer w12: P1.2@5731,3159 C82.2@5837.57,3159 R25.1@5837.57,3207
VDAC: C19.1 P1.3 R6.2 | length 178.7
  Top Layer w12: C19.1@5609.48,3205.43 R6.2@5609.48,3262.57 ; R6.2@5609.48,3259 P1.3@5731,3259
VIN+: J2.1 Q1.5 Q1.6 Q1.7 Q1.8 | length 492.1
  Top Layer w60: 4192,1838 Q1.6@4225.52,1837.54 ; J2.1@4224.1,1462 4224.1,1836.13 Q1.6@4225.52,1837.54 ; 4308,1837.54 Q1.7@4275.52,1837.54 Q1.6@4225.52,1837.54
VIN-: C39.2 C40.2 C43.2 J2.2 R16.2 T1.2 | length 1507.2
  Top Layer w12: R16.2@4098,1959.59 4407.59,1959.59 4408,1960
  Top Layer w60: J2.2@4361.9,1462 4361.9,1725.9 4408,1772 4408,1960 4408,2099.48 C39.2@4324.48,2183 C40.2@4324.48,2338 4324.48,2432.92 T1.2@4496.94,2432.92
VRAW: C41.1 C42.1 C44.1 C45.1 C46.1 C48.1 C49.1 C55.1 C56.1 C58.1 C59.1 C66.1 C67.1 R15.1 T1.4 U7.1 U8.1 U9.3 U10.3 U11.1 U11.3 | length 6394.4
  Top Layer w20: R15.1@4564,1547.43 4564,1700 4588.43,1724.43 C44.1@4588.43,1788 4611.48,1811.05 4611.48,1848.52
  Top Layer w25: C67.1@5720,1732.69 5788,1732.69 ; U11.3@5836.78,1657.89 5797.11,1657.89 5788,1667 5788,1732.69 ; C66.1@5836.78,1797 U11.1@5836.78,1732.69 5788,1732.69
  Top Layer w30: U8.1@4720.93,3518.17 v1(4788,3518.17)
  Top Layer w40: C42.1@4611.48,1897 4611.48,1833.52 4855,1590 5515,1590 5657.69,1732.69 C67.1@5720,1732.69 ; C56.1@5980.14,4292 U9.3@5980.14,4160.55 6094.12,4160.55 C55.1@6094.57,4161
  Top Layer w50: C45.1@4413,3009.83 C46.1@4516,3009.83 ; T1.4@4615.06,2173.08 4621.61,2166.52 C59.1@4874,2166.52 4895.89,2144.63 U10.3@4895.89,2015.1 4891.56,2019.43 C58.1@4794,2019.43 ; U7.1@4650,3009.83 C46.1@4516,3009.83 ; U8.1@4720.93,3518.17 4720.93,3432.93 4688,3400 C49.1@4607.54,3400 4607.54,3316.54 4516,3225 C46.1@4516,3009.83
  Top Layer w60: C42.1@4611.48,1897 4615.06,1900.57 T1.4@4615.06,2173.08
  Bottom Layer w30: C48.1@4747.43,3518.17 v1(4788,3518.17) 4847.17,3518.17 5530,4201 v1(5960,4201) v1(6002,4201)
  Bottom Layer w50: v1(4576,3010) 4613,3010 4746,2877 v1(4746,2191)
  other v1: 4712,2191 4610,3010
pads on no net: J1.0 J2.0 MNT1.1 MNT2.1 MNT3.1 MNT4.1 P4.7 P4.8 P5.5 U2.1 U2.3 U2.5 U2.7 U2.8 U3.1 U3.2 U3.5 U3.7 U3.8 U3.9 U3.18 U3.19 U4.6 U4.7 U4.8 U5.1 U5.25 U5.26 U5.29 U5.30 U5.31 U5.32 U5.40 U5.41 U5.42 U5.49 U5.50 U5.51 U5.58 U5.59 U6.1 U12.1 U12.6 U13.6 U13.17 Y1.0

## Polygon pours and split planes (outlines as drawn)
GND on Top Layer "GND_L01_P020" (solid, remove dead copper, pour order 20): 2919.97,1146 5634,1145.98 5634,1319 5634,1697 5743,1806 5784,1847 5784,1892.89 5784,2010 5738,2056 5738,2641 5562,2817 5549,2817 4701,2817 4700,2816 4700,2781 4700,1256 4642,1256 4029,1256 4029,1310 4029,2044 4127,2142 4127,2188 4127,2542 4252,2667 4252,2741 4252,2812 4274,2834 4358,2834 4364,2834 4376,2846 4376,3190 4495,3309 4888.28,3309 4890,3309 4932,3267 4933,3266 5087,3266 5133,3312 5133,3329 5134,3329 5166,3361 5337,3361 5337,3387 5338,3388 5337,3388 5524,3388 5610,3474 5768,3632 5872,3632 5872,3739 5873,3740 5961,3740 5961,3958 5778,3958 5556,3958 5555,3957 5555,3980.45 5555,4571 2979,4571 2979,3386 2979,3236.72 2491,3236.72 2491,2749 2919.97,2749
RAW-GND on Top Layer "RAW-GND_L01_P026" (solid, remove dead copper, pour order 26): 4030,1260 4701,1260 4700,1261 4700,1552 4700,2821 4701,2822 4700,2821 4406,2821 4377,2850 4280,2850 4280,2844 4252,2816 4253,2815 4253,2671 4128,2546 4128,2148.3 4128,2146 4030,2048
"CURRENT RTN" on Top Layer "CURRENT_RTN_L01_P014" (solid, remove dead copper, pour order 14): 7000,4575 5556,4575 5556,4559 5556,3961 5561,3961 5962,3961 5962,3866 5962,3744 5873,3744 5873,3636 5776,3636 5768,3636 5524,3392 5494,3392 5338,3392 5338,3374 5338,3365 5299,3365 5166,3365 5149,3348 5134,3333 5134,3319 5134,3316 5124,3306 5088,3270 5069,3270 4934,3270 4891,3313 4862,3313 4496,3313 4414,3231 4377,3194 4377,3133 4377,2850 4406,2821 4503,2821 5564,2821 5739,2646 5739,2060 5785,2014 5785,1947 5785,1851 5744,1810 5635,1701 5635,1146 7000,1146
ESP-GND on Top Layer "ESP-GND_L01_P010" (solid, remove dead copper, pour order 10): 1872,4575 2960,4575 2960,3683.46 2960,3262.46 2546,3262.46 2546,3007.11 2475,3007.11 2475,2733 2546,2733 2900,2733 2900,2379 2900,1146 1872,1146
GND on Bottom Layer "GND_L02_P032" (solid, pour order 32): 2919.97,1146 5634,1145.98 5634,1319 5634,1771 5669,1806 5743,1806 5784,1847 5784,1892.89 5784,2010 5738,2056 5738,2641 5562,2817 5549,2817 4701,2817 4700,2816 4700,2781 4700,1256 4642,1256 4029,1256 4029,1310 4029,2044 4127,2142 4127,2188 4127,2542 4252,2667 4252,2741 4252,2812 4274,2834 4358,2834 4364,2834 4376,2846 4376,3190 4495,3309 4888.28,3309 4890,3309 4932,3267 4933,3266 5087,3266 5133,3312 5133,3329 5134,3329 5166,3361 5337,3361 5337,3387 5338,3388 5337,3388 5524,3388 5610,3474 5768,3632 5872,3632 5872,3739 5873,3740 5961,3740 5961,3958 5778,3958 5556,3958 5555,3957 5555,3980.45 5556,4575 2979,4575 2979,3386 2979,3236.72 2491,3236.72 2491,2749 2919.97,2749
ESP-GND on Bottom Layer "ESP-GND_L02_P030" (solid, remove dead copper, pour order 30): 1872,4575 2960,4575 2960,3683.46 2960,3262.46 2546,3262.46 2546,3007.11 2475,3007.11 2475,2733 2546,2733 2900,2733 2900,2379 2900,1146 1872,1146
RAW-GND on Bottom Layer "RAW-GND_L02_P028" (solid, remove dead copper, pour order 28): 4030,1260 4701,1260 4700,1261 4700,1552 4700,2821 4701,2822 4700,2821 4406,2821 4377,2850 4280,2850 4280,2844 4252,2816 4253,2815 4253,2671 4128,2546 4128,2148.3 4128,2146 4030,2048
"CURRENT RTN" on Bottom Layer "CURRENT_RTN_L02_P012" (solid, remove dead copper, pour order 12): 7000,4575 5556,4575 5556,4559 5556,3961 5561,3961 5962,3961 5962,3866 5962,3744 5873,3744 5873,3636 5776,3636 5768,3636 5524,3392 5494,3392 5338,3392 5338,3374 5338,3365 5299,3365 5166,3365 5149,3348 5134,3333 5134,3319 5134,3316 5124,3306 5088,3270 5069,3270 4934,3270 4891,3313 4862,3313 4496,3313 4414,3231 4377,3194 4377,3133 4377,2850 4406,2821 4503,2821 5628,2821 5739,2710 5739,2060 5785,2014 5785,1947 5785,1851 5744,1810 5671,1810 5670,1810 5662,1802 5635,1775 5635,1759 5635,1146 7000,1146

## Silkscreen, mask and mechanical layers (free items; w line width, h text height)
Top Overlay:
  text "WiFi / power" at 2403,2031.93 h100 r270
  text "+" at 2305,1893.22 h100 r270
  text "-" at 2305,1755.42 h100 r270
  text "+" at 4190.78,1579 h100
  text "-" at 4328.58,1579 h100
  text "main / power" at 4740,1208.53 h100
Mechanical 13:
  lines w8: 2346,4575 4674,4575 ; 2360,4575 1872,4575 1872,1146 7000,1146 7000,3474 ; 4672,4575 7000,4575 7000,3471

## Text inside footprints (layer, text, board x,y; h text height)
P3: Top Overlay "39" at 6720,4290 h50 r90; Top Overlay "40" at 6620,4290 h50 r90; Top Overlay "2" at 6620,1410 h50 r90; Top Overlay "1" at 6720,1410 h50 r90
P4: Top Overlay "2" at 3281,2563 h50 r270; Top Overlay "1" at 3181,2543 h50 r270; Top Overlay "9" at 3181,1683 h50 r270; Top Overlay "10" at 3281,1683 h50 r270
P5: Top Overlay "8" at 2424,2527 h50 r180; Top Overlay "7" at 2424,2627 h50 r180; Top Overlay "1" at 2864,2627 h50 r180; Top Overlay "2" at 2884,2527 h50 r180